# KiCad board PSU.kicad_pcb

Outline 72.31 x 44.96 mm; copper layers: FC, IC, IP, BC. Coordinates in mm from the lower left corner of the outline.
Outline path: 0,39.15 0,13.04 3.76,13.04 3.76,5.04 18.78,5.04 18.78,0 53.22,0 53.22,0.95 65.91,0.95 66.29,1.33 66.29,2.61 66.56,2.88 70.97,2.88 71.32,3.23 71.32,4.12 71.59,4.39 72.03,4.39 72.31,4.67 72.31,39.74 71.67,40.38 66.93,40.38 66.93,44.08 66.16,44.85 44.21,44.85 43.45,44.09 43.45,32.85 42.59,31.99 18.54,31.99 17.37,33.16 17.37,44.22 16.63,44.96 6.25,44.96 5.53,44.24 5.53,40.73 4.79,39.99 0.84,39.99 0,39.15
Stack: FC 0.035mm / dielectric 0.1mm FR4 er 4.5 / IC 0.035mm / dielectric 1.24mm FR4 er 4.5 / IP 0.035mm / dielectric 0.1mm FR4 er 4.5 / BC 0.035mm

## Placement (name value [footprint] x y rotation side)
C1  -  [C_0603_1608Metric]  7.06 41.14 0 top
C2  -  [C_0603_1608Metric]  4.92 34.33 90 top
C3  -  [C_1206_3216Metric]  12.81 36.24 0 top
C4  -  [C_0603_1608Metric]  4.51 24.57 90 top
C5  -  [C_0603_1608Metric]  6.44 12.3 90 top
C6  -  [C_0603_1608Metric]  4.89 30.77 90 top
C7  -  [C_0603_1608Metric]  6.74 21.31 0 top
C8  -  [C_0603_1608Metric]  4.97 27.8 90 top
C9  -  [C_0603_1608Metric]  4.48 20.36 90 top
C10  -  [C_0603_1608Metric]  11.62 21.15 0 top
C11  -  [C_1206_3216Metric]  12.58 28.95 0 top
C12  -  [C_1206_3216Metric]  30.16 23.31 270 top
C13  -  [C_0603_1608Metric]  16.87 13.33 0 top
C14  -  [C_0603_1608Metric]  23.04 25.9 270 top
C15  -  [C_0603_1608Metric]  18.12 9.69 90 top
C16  -  [C_1206_3216Metric]  27.26 20.92 270 top
C17  -  [C_0603_1608Metric]  7.22 18.44 0 top
C18  -  [C_0603_1608Metric]  37.06 15.04 0 top
C19  -  [C_0603_1608Metric]  51.19 24.88 90 top
C20  -  [C_0603_1608Metric]  45.44 17.2 180 top
C21  -  [C_0603_1608Metric]  57.44 15.28 90 top
C22  -  [C_0603_1608Metric]  39.74 24.65 0 top
C23  -  [C_0603_1608Metric]  53.73 24.26 0 top
C24  -  [C_0603_1608Metric]  37.06 19.29 0 top
C25  -  [C_0805_2012Metric]  48.17 29.76 90 top
C26  -  [C_0603_1608Metric]  46.7 24.88 90 top
C27  -  [C_0603_1608Metric]  45.52 20.85 90 top
C28  -  [C_0603_1608Metric]  46.95 9.76 270 top
C29  -  [C_0603_1608Metric]  68.97 28.13 0 top
C30  -  [C_0603_1608Metric]  68.99 19.49 0 top
C31  -  [C_0603_1608Metric]  14.06 6.99 90 top
C32  -  [C_0603_1608Metric]  26.77 6.48 270 top
C33  -  [C_0805_2012Metric]  26.91 3.96 180 top
C34  -  [C_0603_1608Metric]  29.46 3.68 270 top
C35  -  [C_0603_1608Metric]  45.16 6.64 270 top
C36  -  [C_0603_1608Metric]  37.68 3.07 270 top
C37  -  [C_0603_1608Metric]  68.14 5.87 90 top
C38  -  [C_Radial_D6.3mm_H11.0mm_P2.50mm]  34.3 12.96 0 bottom
C39  -  [C_Disc_D3.0mm_W1.6mm_P2.50mm]  39.61 18.15 90 bottom
C40  -  [EC]  39.58 11.25 90 bottom
C41  -  [C_Radial_D10.0mm_H12.5mm_P5.00mm]  33.95 22.84 225 bottom
C42  -  [C_Radial_D6.3mm_H11.0mm_P2.50mm]  10.29 23.17 0 bottom
C43  -  [C_Radial_D6.3mm_H11.0mm_P2.50mm]  21.93 11.77 90 bottom
C44  -  [C_Radial_D10.0mm_H12.5mm_P5.00mm]  18.33 21.67 0 bottom
C45  -  [C_Radial_D6.3mm_H11.0mm_P2.50mm]  27.48 13 0 bottom
C46  -  [C_Radial_D6.3mm_H11.0mm_P2.50mm]  16.12 7.65 90 bottom
D1  -  [D_0603_1608Metric]  54.7 34.09 90 top
D2  -  [D_0603_1608Metric]  21.15 29.87 180 top
D3  -  [D_0603_1608Metric]  59.97 26.42 180 top
D4  -  [D_0603_1608Metric]  38.28 7.12 270 top
J1  -  [PSU_Connector_Receptor]  30.62 6.05 180 bottom
L1  -  [L_Radial_D7.5mm_P5.00mm_Fastron_07P]  65.9 8.78 180 bottom
L2  -  [L_Coilcraft_LPS5030]  11.23 15.86 180 bottom
L3  -  [L_Coilcraft_LPS5030]  8.5 8.82 180 bottom
Q1  -  [SOT-powerT]  8.79 8.21 0 top
Q1#2  -  [SOT-23]  6.61 38.21 270 top
Q2  -  [SOT-powerT]  12.35 17.94 180 top
Q2#2  -  [SOT-416]  15.86 41.62 90 top
Q3  -  [SOT-416]  13.99 38.76 90 top
Q4  -  [SOT-23]  10.11 42.12 90 top
Q5  -  [SOT-416]  52.49 34.43 270 top
Q6  -  [SOT-416]  2.02 24.62 270 top
Q7  -  [SOT-416]  2.64 21.71 270 top
Q8  -  [SOT-23-3]  20.4 26.84 270 top
Q9  -  [SOT-23]  24.25 18.51 90 top
Q10  -  [SOT-89-3]  14.35 32.81 0 top
Q11  -  [SOT-416]  18.11 30.56 180 top
Q12  -  [SOT-416]  16.91 26.74 180 top
Q13  -  [SOT-416]  45.05 15.24 270 top
Q14  -  [SOT-23]  36.89 21.96 90 top
Q15  -  [SOT-23W]  36.37 9.68 270 top
Q16  -  [SOT-416]  48.84 10.37 270 top
Q19  -  [SOT-416]  50.48 15.79 180 top
Q21  -  [SOT-416]  63.19 21.46 90 top
Q22  -  [SOT-416]  63.1 12.87 90 top
Q23  -  [SOT-416]  63.12 15.65 90 top
Q24  -  [SOT-416]  63.1 18.77 90 top
Q25  -  [SOT-416]  31.34 3.52 90 top
Q26  -  [SOT-23]  29.44 6.93 0 top
Q28  -  [SOT-416]  43.07 3.7 270 top
Q30  -  [SOT-23]  33.67 6.7 0 top
Q32  -  [SOT-416]  62.99 6.8 180 top
Q33  -  [SOT-416]  60.53 2.86 0 top
R1  -  [R_0603_1608Metric]  6.41 34.24 270 top
R2  -  [R_0603_1608Metric]  12.18 41.73 270 top
R3  -  [R_0603_1608Metric]  11.87 38.78 270 top
R4  -  [R_0603_1608Metric]  7.87 34.3 270 top
R5  -  [R_0603_1608Metric]  13.82 41.67 270 top
R6  -  [R_0603_1608Metric]  7.13 42.97 0 top
R7  -  [R_1210_3225Metric]  57.66 40.81 0 top
R8  -  [R_1210_3225Metric]  57.66 37.61 0 top
R9  -  [R_0603_1608Metric]  4.48 17.05 270 top
R10  -  [R_0603_1608Metric]  2.44 19.01 270 top
R11  -  [R_0603_1608Metric]  6.72 24.1 0 top
R12  -  [R_0603_1608Metric]  4.91 12.25 90 top
R13  -  [R_0603_1608Metric]  3.51 30.88 270 top
R14  -  [R_0603_1608Metric]  6.44 30.78 270 top
R15  -  [R_0603_1608Metric]  6.43 27.82 270 top
R16  -  [R_0603_1608Metric]  3.49 27.88 270 top
R17  -  [R_0603_1608Metric]  1.55 30.88 270 top
R18  -  [R_0603_1608Metric]  6.63 19.83 180 top
R19  -  [R_0603_1608Metric]  6.7 22.71 0 top
R20  -  [R_0603_1608Metric]  1.99 27.92 270 top
R21  -  [R_1206_3216Metric]  21.38 17.86 90 top
R22  -  [R_0603_1608Metric]  8.27 12.31 90 top
R23  -  [R_0603_1608Metric]  7.15 17.05 180 top
R24  -  [R_1206_3216Metric]  29.3 26.91 0 top
R25  -  [R_1206_3216Metric]  12.92 12.56 90 top
R26  -  [R_1206_3216Metric]  16.88 17.83 90 top
R27  -  [R_0603_1608Metric]  17.08 28.64 0 top
R28  -  [R_0603_1608Metric]  19.8 9.75 90 top
R29  -  [R_0603_1608Metric]  25.42 29.73 90 top
R30  -  [R_0603_1608Metric]  7.9 26.35 270 top
R31  -  [R_0603_1608Metric]  23.92 29.73 90 top
R32  -  [R_0603_1608Metric]  17.08 24.86 0 top
R33  -  [R_1206_3216Metric]  19.14 17.86 90 top
R34  -  [R_1206_3216Metric]  32.19 15.98 90 top
R35  -  [R_0603_1608Metric]  27.7 30.33 0 top
R36  -  [R_0603_1608Metric]  25.74 8.56 180 top
R37  -  [R_0603_1608Metric]  7.15 15.57 180 top
R38  -  [R_0603_1608Metric]  7.84 30.85 270 top
R39  -  [R_0603_1608Metric]  55.91 12.34 90 top
R40  -  [R_0603_1608Metric]  51.46 10.85 0 top
R41  -  [R_0603_1608Metric]  47.74 18.95 0 top
R42  -  [R_0603_1608Metric]  37.1 16.41 0 top
R43  -  [R_0603_1608Metric]  53.36 14.62 0 top
R44  -  [R_0603_1608Metric]  32.71 25.62 90 top
R45  -  [R_0603_1608Metric]  53.51 12.34 90 top
R46  -  [R_0603_1608Metric]  55.03 21.4 90 top
R47  -  [R_0603_1608Metric]  53.78 25.73 0 top
R48  -  [R_0603_1608Metric]  40.49 7.92 90 top
R49  -  [R_0603_1608Metric]  47.53 12.44 0 top
R50  -  [R_0603_1608Metric]  55.56 18.53 90 top
R51  -  [R_0603_1608Metric]  53 18.58 90 top
R52  -  [R_0603_1608Metric]  57.38 12.32 90 top
R53  -  [R_0603_1608Metric]  44.02 20.84 90 top
R54  -  [R_0603_1608Metric]  37.07 17.83 0 top
R55  -  [R_0603_1608Metric]  55.81 15.3 90 top
R56  -  [R_1206_3216Metric]  34.45 16.87 90 top
R57  -  [R_0603_1608Metric]  50.38 13.96 0 top
R58  -  [R_0603_1608Metric]  49.72 7.96 0 top
R59  -  [R_0603_1608Metric]  49.91 29.81 90 top
R60  -  [R_0603_1608Metric]  51.4 9.4 0 top
R61  -  [R_0603_1608Metric]  53.03 21.37 90 top
R62  -  [R_0603_1608Metric]  33.4 9.39 0 top
R63  -  [R_0603_1608Metric]  56.54 21.43 90 top
R64  -  [R_0603_1608Metric]  41.78 11.29 90 top
R65  -  [R_0603_1608Metric]  50.42 12.53 0 top
R66  -  [R_0603_1608Metric]  47.57 13.88 0 top
R67  -  [R_0603_1608Metric]  57.02 18.53 90 top
R68  -  [R_0603_1608Metric]  47.77 15.64 0 top
R69  -  [R_0603_1608Metric]  48.96 21.66 0 top
R70  -  [R_0603_1608Metric]  60.38 11.91 0 top
R71  -  [R_0603_1608Metric]  60.43 15.37 0 top
R72  -  [R_0603_1608Metric]  59.8 28.09 0 top
R73  -  [R_0603_1608Metric]  60.15 22.36 0 top
R74  -  [R_0603_1608Metric]  60.36 13.45 0 top
R75  -  [R_0603_1608Metric]  60.46 16.8 0 top
R76  -  [R_0603_1608Metric]  60.4 18.56 0 top
R77  -  [R_0603_1608Metric]  60.12 24.39 0 top
R78  -  [R_0603_1608Metric]  60.1 20.38 0 top
R79  -  [R_0603_1608Metric]  12.4 7.07 90 top
R80  -  [R_0603_1608Metric]  26.99 2.19 180 top
R81  -  [R_0603_1608Metric]  19.43 6.85 90 top
R82  -  [R_0603_1608Metric]  43.64 6.65 90 top
R83  -  [R_0603_1608Metric]  36.18 3.03 270 top
R84  -  [R_0603_1608Metric]  46.69 6.62 90 top
R85  -  [R_0603_1608Metric]  39.84 4.65 270 top
R86  -  [R_0603_1608Metric]  33.97 3.87 180 top
R87  -  [R_0603_1608Metric]  66.61 5.84 90 top
R88  -  [R_0603_1608Metric]  59.8 5.48 90 top
R89  -  [R_0603_1608Metric]  65.12 5.84 90 top
R90  -  [R_0603_1608Metric]  62.03 4.74 0 top
R91  -  [R_1206_3216Metric]  70.03 6.97 90 top
REF**  -  [3D]  56.98 3.05 270 top
REF**#2  -  [3D]  50.7 18.47 0 top
REF**#3  -  [3D]  56.94 5.89 270 top
REF**#4  -  [3D]  48.81 24.69 0 top
REF**#5  -  [3D]  53.22 7.07 180 top
REF**#6  -  [3D]  42.41 14.72 180 top
U1  -  [SOT-23-5]  44.41 10.63 270 top
U2  -  [SOT-23-6_Handsoldering]  49.85 5.41 0 top

## Footprints (pads in the part's own frame, mm; a bottom-side part is the same pattern mirrored in y, then rotated)
3D
  rect 0.9x0.8 smd: 1(0.625,-0.725) 2(-0.05,1.125) 3(-0.7,-0.725)
C_0603_1608Metric
  rrect 0.9x0.95 smd: 1(-0.775,0) 2(0.775,0)
C_0805_2012Metric
  rrect 1x1.45 smd: 1(-0.95,0) 2(0.95,0)
C_1206_3216Metric
  rrect 1.15x1.8 smd: 1(-1.475,0) 2(1.475,0)
C_Disc_D3.0mm_W1.6mm_P2.50mm
  round 1.6 hole 0.8: 1(0,0) 2(2.5,0)
C_Radial_D6.3mm_H11.0mm_P2.50mm
  round 1.6 hole 0.8: 1(0,0) 2(2.5,0)
C_Radial_D10.0mm_H12.5mm_P5.00mm
  round 1.6 hole 0.8: 1(0,0) 2(5,0)
D_0603_1608Metric
  rrect 0.875x0.95 smd: 1(-0.787,0) 2(0.787,0)
EC
  round 1.6 hole 0.8: 1(0.275,0) 2(2.225,0)
L_Coilcraft_LPS5030
  custom 1.995x5.51 smd: 1(-2.228,0) 2(2.228,0)
L_Radial_D7.5mm_P5.00mm_Fastron_07P
  round 2.6 hole 1.3: 1(0,0) 2(5,0)
PSU_Connector_Receptor
  rect 0.5x2.1 smd: 1(-7.8,2.2) 2(-7,2.2) 3(-6.2,2.2) 4(-5.4,2.2) 5(-4.6,2.2) 6(-3.8,2.2) 7(-3,2.2) 8(-2.2,2.2) 9(-1.4,2.2) 10(-0.55,2.2) 11(0.2,2.2) 12(1,2.2) 13(1.85,2.2) 14(2.6,2.2) 15(3.45,2.2) 16(4.25,2.2) 17(5.05,2.2) 18(5.85,2.2) 19(6.65,2.2) 20(7.45,2.2) 21(-7.85,-2.2) 22(-7,-2.2) 23(-6.2,-2.2) 24(-5.4,-2.2) 25(-4.6,-2.2) 26(-3.8,-2.2) 27(-3,-2.2) 28(-2.2,-2.2) 29(-1.4,-2.2) 30(-0.6,-2.2) 31(0.2,-2.2) 32(1,-2.2) 33(1.8,-2.2) 34(2.6,-2.2) 35(3.4,-2.2) 36(4.2,-2.2) 37(5,-2.2) 38(5.8,-2.2) 39(6.6,-2.2) 40(7.4,-2.2)
R_0603_1608Metric
  rrect 0.8x0.95 smd: 1(-0.825,0) 2(0.825,0)
R_1206_3216Metric
  rrect 1.125x1.75 smd: 1(-1.462,0) 2(1.462,0)
R_1210_3225Metric
  rrect 1.125x2.65 smd: 1(-1.462,0) 2(1.462,0)
SOT-23
  rrect 1.475x0.6 smd: 1(-0.938,0.95) 2(-0.938,-0.95) 3(0.938,0)
SOT-23-3
  rrect 1.325x0.6 smd: 1(-1.137,0.95) 2(-1.137,-0.95) 3(1.137,0)
SOT-23-5
  rrect 1.325x0.6 smd: 1(-1.137,0.95) 2(-1.137,0) 3(-1.137,-0.95) 4(1.137,-0.95) 5(1.137,0.95)
SOT-23-6_Handsoldering
  rrect 1.56x0.65 smd: 1(-1.35,0.95) 2(-1.35,0) 3(-1.35,-0.95) 4(1.35,-0.95) 5(1.35,0) 6(1.35,0.95)
SOT-23W
  rrect 1x0.7 smd: 1(-1.2,0.95) 2(-1.2,-0.95) 3(1.2,0)
SOT-89-3
  rrect 1.3x0.9 smd: 1(-1.95,1.5) 3(-1.95,-1.5)
  custom 4.6x1.733 smd: 2(-1.863,0)
SOT-416
  rrect 0.6x0.5 smd: 1(-0.65,0.5) 2(-0.65,-0.5) 3(0.65,0)
SOT-powerT
  rect 1.8x0.8 smd: 1(-1.525,1.675) 2(-1.525,0) 3(-1.525,-1.8)
  rect 1.7x1.5 smd: 4(0.925,-1.175) 5(0.925,1.175)

## Nets
GND: J1.9 J1.29 J1.32 J1.37 Q9.1 Q9.2

Pads without a net: C1 1 2; C2 1 2; C3 1 2; C4 1 2; C5 1 2; C6 1 2; C7 1 2; C8 1 2; C9 1 2; C10 1 2; C11 1 2; C12 1 2; C13 1 2; C14 1 2; C15 1 2; C16 1 2; C17 1 2; C18 1 2; C19 1 2; C20 1 2; C21 1 2; C22 1 2; C23 1 2; C24 1 2; C25 1 2; C26 1 2; C27 1 2; C28 1 2; C29 1 2; C30 1 2; C31 1 2; C32 1 2; C33 1 2; C34 1 2; C35 1 2; C36 1 2; C37 1 2; C38 1 2; C39 1 2; C40 1 2; C41 1 2; C42 1 2; C43 1 2; C44 1 2; C45 1 2; C46 1 2; D1 1 2; D2 1 2; D3 1 2; D4 1 2; J1 1 2 3 4 5 6 7 8 10 11 12 13 14 15 16 17 18 19 20 21 22 23 24 25 26 27 28 30 31 33 34 35 36 38 39 40; L1 1 2; L2 1 2; L3 1 2; Q1 1 2 3 4 5; Q1#2 1 2 3; Q2 1 2 3 4 5; Q2#2 1 2 3; Q3 1 2 3; Q4 1 2 3; Q5 1 2 3; Q6 1 2 3; Q7 1 2 3; Q8 1 2 3; Q9 3; Q10 1 2 3; Q11 1 2 3; Q12 1 2 3; Q13 1 2 3; Q14 1 2 3; Q15 1 2 3; Q16 1 2 3; Q19 1 2 3; Q21 1 2 3; Q22 1 2 3; Q23 1 2 3; Q24 1 2 3; Q25 1 2 3; Q26 1 2 3; Q28 1 2 3; Q30 1 2 3; Q32 1 2 3; Q33 1 2 3; R1 1 2; R2 1 2; R3 1 2; R4 1 2; R5 1 2; R6 1 2; R7 1 2; R8 1 2; R9 1 2; R10 1 2; R11 1 2; R12 1 2; R13 1 2; R14 1 2; R15 1 2; R16 1 2; R17 1 2; R18 1 2; R19 1 2; R20 1 2; R21 1 2; R22 1 2; R23 1 2; R24 1 2; R25 1 2; R26 1 2; R27 1 2; R28 1 2; R29 1 2; R30 1 2; R31 1 2; R32 1 2; R33 1 2; R34 1 2; R35 1 2; R36 1 2; R37 1 2; R38 1 2; R39 1 2; R40 1 2; R41 1 2; R42 1 2; R43 1 2; R44 1 2; R45 1 2; R46 1 2; R47 1 2; R48 1 2; R49 1 2; R50 1 2; R51 1 2; R52 1 2; R53 1 2; R54 1 2; R55 1 2; R56 1 2; R57 1 2; R58 1 2; R59 1 2; R60 1 2; R61 1 2; R62 1 2; R63 1 2; R64 1 2; R65 1 2; R66 1 2; R67 1 2; R68 1 2; R69 1 2; R70 1 2; R71 1 2; R72 1 2; R73 1 2; R74 1 2; R75 1 2; R76 1 2; R77 1 2; R78 1 2; R79 1 2; R80 1 2; R81 1 2; R82 1 2; R83 1 2; R84 1 2; R85 1 2; R86 1 2; R87 1 2; R88 1 2; R89 1 2; R90 1 2; R91 1 2; REF** 1 2 3; REF**#2 1 2 3; REF**#3 1 2 3; REF**#4 1 2 3; REF**#5 1 2 3; REF**#6 1 2 3; U1 1 2 3 4 5; U2 1 2 3 4 5 6

## Via types
v1: diameter 0.6, hole 0.3, FC to BC, 197 vias

## Routing (per net, layer and track width the routed paths; a pad name or vN(x,y) marks a point on that pad's centre or on a via; arc(x,y) is an arc through that point)
GND: length 134.3
  FC w0.7: 24.79,17.57 24.79,16.51 v1(24.91,16.39) ; 24.79,17.57 23.86,17.57 ; 24.79,17.57 Q9.2 ; 23.86,17.57 Q9.1 ; 23.86,17.57 v1(23.86,16.36)
  IC w0.2: v1(8.05,36.28) 8.05,35.82 7.17,34.94 7.17,27.67 7.91,26.93 7.91,25.07 7.39,24.55 7.39,16.71 13.26,10.84 13.26,8.91 13.73,8.44 16.77,8.44 19.82,5.39 19.82,3.87 22.78,0.91 26.69,0.91 28.44,2.66 30.32,2.66 30.9,2.08 30.9,1.9 v1(30.91,1.89) ; v1(31.17,5.44) 36.62,10.89 38.44,10.89 38.98,10.35 v1(40.74,10.35)
  IC w0.4: v1(5.71,30.73) 5.71,28.17 7.34,26.54 7.34,25.38 6.77,24.81 6.77,16.44 12.47,10.74 12.47,8.53 13.53,7.47 15.41,7.47 ; v1(14.18,9.29) 14.18,10.81 8.02,16.97 8.02,21.57 v1(8.58,22.13) 8.05,22.66 8.05,24.28 8.68,24.91 8.68,27.15 7.91,27.92 v1(7.91,30.5)
  BC w0.2: J1.32 29.6,3.87 v1(29.6,5.4) ; J1.9 32.02,10.26 v1(32.03,10.27) ; v1(32.02,1.92) J1.29 ; J1.37 25.61,3.86 v1(25.61,5.21) ; v1(30.91,1.89) 31.22,2.2 31.22,3.85 31.17,3.9 v1(31.17,5.44)
  vias: v1(2.41,29.91) v1(3.62,19.35) v1(4.61,38.31) v1(5.79,38.34) v1(7.06,43.98) v1(10.22,37.69) v1(12.22,27.98) v1(12.25,29.2) v1(14.66,18.67) v1(15.3,43.43) v1(15.39,37.91) v1(16.96,27.7) v1(17.7,14.27) v1(25.09,22.08) v1(29.8,1.95) v1(35.76,5.28) v1(37.97,30.59) v1(43,27.36) v1(45.21,35.08) v1(45.19,33.66) v1(46.74,11.43) v1(47.33,29.4) v1(48.43,22.63) v1(49.52,37.98) v1(49.43,4.38) v1(50.79,37.98) v1(51.07,30.38) v1(51.84,20.72) v1(51.83,19.41) v1(52.01,37.96) v1(52.14,11.98) v1(55.29,10.62) v1(56.28,27.23) v1(56.28,25.84) v1(59.97,20.61) v1(62.46,11.17) v1(63.97,19.94)
(no net): length 1146.2
  FC w0.2: 36.83,22.84 Q14.3 ; 34.3,15.26 R56.1 ; C40.1 39.28,11.53 ; 37.88,12.92 37.88,12.95 ; 36.81,12.95 C38.2 ; 28.06,16.59 v1(28.09,16.62)
  FC w0.7: R44.1 32.71,24.39 C12.2 32.1,21.84 32.92,21.02 Q14.1 Q14.2 ; C41.1 36.83,22.84
  FC w0.8: 39.28,11.53 37.88,12.92 ; 37.88,12.95 36.81,12.95 ; v1(26.9,16.59) 28.06,16.59
  FC w1: R34.1 33.78,14.52 33.8,14.5 34.3,14.5 ; 34.3,14.5 C38.1 ; 34.3,14.5 34.3,15.26
  IC w0.2: v1(19.01,9.66) 16.45,12.22 15.05,12.22 13.07,14.2 13.07,20.34 12.02,21.39 12.02,24.44 10.11,26.35 10.11,35.28 v1(9.14,36.25) ; 7.19,13.01 6.78,13.42 ; 7.19,13.01 v1(7.19,12.95) ; 7.19,13.01 6.2,14 6.2,20.18 v1(4.22,22.16) ; v1(21.83,4.29) 22.03,4.49 22.03,6.58 21.33,7.28 20.36,7.28 16.02,11.62 14.92,11.62 12.56,13.98 12.56,19.95 11.49,21.02 11.49,23.27 10.63,24.13 v1(9.21,24.13) ; v1(22.44,7.96) 22.73,7.96 23.38,8.61 23.38,12.04 22.55,12.87 21.69,12.87 16.84,17.72 16.84,22.67 v1(17.26,23.09) ; v1(47.91,37.09) 47.91,36.42 51.29,33.04 54.51,33.04 57.83,29.72 v1(59.15,29.72) ; v1(36.85,24.7) 37.29,25.14 38.42,25.14 39.22,24.34 46.01,24.34 47.35,25.68 v1(47.35,27.67) ; v1(21.9,23.16) 22.75,24.01 25.06,24.01 28.29,27.24 41.73,27.24 44.71,30.22 49.26,30.22 51.91,27.57 53.38,27.57 v1(53.77,27.96) ; v1(57.11,10.16) 57.11,8.46 55.99,7.34 50.06,7.34 46.4,3.68 35.13,3.68 v1(33.61,5.2) ; v1(54.94,27.98) 54.02,27.06 51.71,27.06 50.28,28.49 46.01,28.49 43.92,26.4 41.99,26.4 41.77,26.62 28.59,26.62 v1(25.08,23.11) ; v1(3.92,26.23) 3.92,23.5 3.39,22.97 3.39,21.57 4.5,20.46 v1(4.5,18.62) ; v1(46.19,27.71) 46.19,25.53 45.68,25.02 39.5,25.02 38.79,25.73 36.42,25.73 v1(35.9,25.21) ; v1(15.25,39.36) 14.77,38.88 14.77,32.72 19.11,28.38 41.46,28.38 45.62,32.54 50.07,32.54 52.97,29.64 v1(53.6,29.64) 56.21,29.64 60.08,25.77 60.08,23.79 62.19,21.68 v1(62.19,19.74) ; v1(37.64,9.61) 37.7,9.61 39.04,8.27 48.73,8.27 49.25,8.79 51.03,8.79 53.85,11.61 54.58,11.61 57.71,14.74 57.71,18.76 v1(58.2,19.25) 58.2,23.03 57.03,24.2 52.63,24.2 51.73,23.3 v1(51.73,22.11) ; v1(2.9,24.02) 3.15,24.27 3.15,28.41 3.91,29.17 3.91,33.03 v1(6.97,36.09) ; v1(39.37,7.57) 39.38,7.58 48.71,7.58 49.46,8.33 52.96,8.33 v1(53.28,8.65) ; v1(16.24,23.14) 16.3,23.08 16.3,17.51 20.93,12.88 20.93,11.31 22.44,9.8 v1(22.44,9.02) ; v1(3.42,20.34) 2.88,20.88 2.88,22.59 2.1,23.37 2.1,24.46 2.65,25.01 2.65,28.62 3.28,29.25 3.28,34.35 v1(3.84,34.91) ; v1(47.93,38.93) 47.1,38.1 47.1,36.42 51.02,32.5 54.23,32.5 60.79,25.94 60.79,24.06 63.21,21.64 63.21,19.25 61.64,17.68 61.64,11.25 56.72,6.33 50.57,6.33 45.19,0.95 29.32,0.95 28.75,1.52 v1(28.75,1.91) ; v1(38.69,5.22) 39.68,4.23 46.1,4.23 49.67,7.8 53.83,7.8 54.64,8.61 54.64,10.86 57.56,13.78 v1(58.47,13.78) 59.83,15.14 59.83,18.09 59.18,18.74 59.18,22.95 57.31,24.82 52.35,24.82 50.69,23.16 v1(50.69,22.11) ; v1(50.81,26.92) 49.38,25.49 49.38,21.88 44.22,16.72 30.36,16.72 29.04,18.04 22.92,18.04 21.84,16.96 20.77,16.96 v1(20.52,17.21) ; v1(54.96,26.89) 53.91,25.84 50.7,25.84 49.91,25.05 49.91,21.62 44.42,16.13 30.21,16.13 28.87,17.47 23.03,17.47 21.98,16.42 20.23,16.42 19.81,16.84 19.81,17.93 v1(19.95,18.07) ; v1(13.24,6.26) 13.15,6.17 6.52,6.17 4.83,7.86 4.83,17 1.9,19.93 v1(1.9,21.59) ; v1(18.35,7.87) 17.21,9.01 15.77,9.01 15.15,9.63 15.15,10.64 12,13.79 12,19.59 11.21,20.38 v1(9.04,20.38) ; v1(59.4,10.48) 58.48,10.48 58.01,10.01 58.01,8.44 56.42,6.85 50.25,6.85 46.47,3.07 35.19,3.07 v1(34.41,2.29) ; v1(54.35,28.88) 56.13,28.88 57.33,27.68 57.33,25.59 60.89,22.03 60.89,14.97 56.13,10.21 v1(56.13,9.78) ; v1(12.1,26.69) 15.42,23.37 15.42,15.37 20.63,10.16 21.28,10.16 21.73,9.71 21.73,7.61 23.23,6.11 27.51,6.11 29.26,4.36 31.14,4.36 37.13,10.35 38.19,10.35 38.72,9.82 39.94,9.82 40.25,9.51 41.38,9.51 41.59,9.72 v1(41.69,9.72) ; v1(41.97,1.89) 41.25,2.61 40.43,2.61 39.27,1.45 33.61,1.45 31.85,3.21 24.46,3.21 v1(22.97,1.72) ; v1(51.94,28.71) 51.55,28.71 49.57,30.69 44.43,30.69 41.42,27.68 24.63,27.68 v1(20.11,23.16) ; v1(39.3,9.09) 39.88,9.09 40.14,8.83 48.53,8.83 49.08,9.38 50.92,9.38 53.72,12.18 54.44,12.18 55.76,13.5 55.76,20.42 52.95,23.23 v1(52.95,23.28) ; v1(37.99,24.31) 38.48,23.82 46.37,23.82 48.74,26.19 v1(48.74,27.69)
  IC w0.4: v1(54.11,42.79) 53.46,42.14 ; 53.46,42.14 50.69,42.14 ; 53.46,42.14 49.76,42.14 44.37,36.75 44.37,32.15 41.22,29 19.69,29 16.01,32.68 v1(16.01,36.64) ; v1(39.27,30.61) 38.35,29.69 30.86,29.69 v1(29.67,30.88) ; v1(52.75,16.57) 52.73,16.57 49.84,13.68 43.49,13.68 41.85,15.32 20.29,15.32 18.62,16.99 18.62,19.67 19.81,20.86 19.81,22.28 14.14,27.95 14.14,41.51 v1(14.9,42.27) ; v1(20.88,9.12) 20.88,9.14 13.7,16.32 13.7,19.6 14.16,20.06 14.16,23.25 10.78,26.63 10.78,34.31 v1(13.11,36.64)
  IC w0.5: v1(9.39,39.96) 9.39,39.95 6.66,37.22 4.69,37.22 2.43,34.96 v1(2.32,34.96) v1(1.33,34.96) 1.04,34.67 1.04,17.57 1.86,16.75 v1(1.86,16.74) v1(2.83,16.74) ; v1(30.88,9.79) 30.88,11.78 33.75,14.65 40.99,14.65 45.92,9.72 v1(47.74,9.72)
  BC w0.2: v1(33.61,5.2) 33.61,3.86 J1.27 ; J1.16 26.44,8.32 v1(26.44,9.63) ; J1.15 27.17,6.75 26.78,6.36 22.52,6.36 v1(20.87,8.01) ; J1.36 26.42,2.61 25.89,2.08 v1(25.52,2.08) ; v1(23.99,7.02) 23.99,8.23 J1.19 ; v1(34.41,2.29) 34.41,3.84 J1.26 ; J1.33 28.75,3.78 v1(28.75,1.91) ; v1(37.64,9.61) 37.64,8.27 J1.2 ; J1.1 38.42,8.88 38.63,9.09 v1(39.3,9.09) ; v1(37.62,5.2) J1.22 ; J1.38 24.82,2.46 v1(24.1,1.74) ; v1(28.02,9.62) J1.14 ; v1(22.44,9.02) 23.17,9.02 J1.20 ; J1.34 28.02,2.45 26.49,0.92 22.82,0.92 21.83,1.91 v1(21.83,4.29) ; J1.35 27.22,5.45 26.79,5.88 22.15,5.88 21.31,5.04 20,5.04 18.35,6.69 v1(18.35,7.87) ; v1(22.97,1.72) 24.02,2.77 J1.39 ; v1(25.61,7.04) 25.61,8.21 J1.17 ; v1(38.69,5.22) 38.47,5 J1.21
  vias: v1(1.84,26.2) v1(2.32,15.7) v1(2.33,14.84) v1(4.89,26.23) v1(5.02,32.38) v1(5.17,36.1) v1(5.48,18.62) v1(6.38,32.31) v1(6.43,26.01) v1(9.08,17.62) v1(9.2,30.13) v1(9.73,10.99) v1(10.17,17.62) v1(10.81,11.01) v1(19.14,12.76) v1(19.99,12.74) v1(23.2,5.23) v1(36.99,6.39) v1(40.86,25.74) v1(40.88,1.89) v1(44.78,25.67) v1(45.37,29.33) v1(45.79,14.88) v1(46.27,29.29) v1(46.52,21.69) v1(47.31,17.82) v1(47.41,31.5) v1(47.55,21.68) v1(48.11,26.81) v1(48.41,17.83) v1(48.56,1.23) v1(49.39,31.53) v1(49.69,1.23) v1(49.87,27.71) v1(50.86,1.21) v1(52.07,1.18) v1(52.95,28.67) v1(53.28,9.61) v1(53.62,31.5) v1(53.53,4.7) v1(53.8,3.59) v1(53.84,10.57) v1(54.02,23.27) v1(54.15,19.26) v1(54.2,13.16) v1(54.62,17.74) v1(54.65,15.58) v1(55.17,23.15) v1(56.43,23.13) v1(56.56,16.17) v1(58.72,17.74) v1(58.66,9.61) v1(61.64,28.02) v1(64.54,12.78) v1(64.95,34.68) v1(66.22,34.63) v1(66.15,18.43) v1(67.37,34.66)

## Copper pours and planes (outline as drawn; the poured copper is in the pictures)
GND on IP: 42.83,31.29 43.95,32.41 43.97,43.77 44.47,44.26 53.08,44.28 53.21,44.13 53.24,31.13 56.7,31.13 64.59,23.38 67.77,23.39 68.62,23.04 69.1,22.49 69.27,21.93 69.29,19.81 69.64,19.44 71.37,19.44 71.6,19.24 71.68,5.31 71.58,5.2 71.15,5.2 70.76,4.81 70.77,3.82 70.64,3.69 66.36,3.69 66,3.53 65.81,3.34 65.71,3.04 65.71,1.99 65.6,1.78 65.41,1.69 53.28,1.7 52.81,1.4 48.13,1.38 48.13,0.66 19.62,0.71 19.59,5.12 19.12,5.6 4.59,5.6 4.58,12.92 3.98,13.63 0.59,13.63 0.58,38.75 1,39.21 4.86,39.21 6.04,40.35 6.03,43.94 6.35,44.27 16.06,44.27 16.57,43.78 16.58,32.61 18.06,31.17
(no net) on IC: 20.4,18.94 21.39,17.81 21.8,17.81 22.52,18.54 29.25,18.54 30.65,17.19 43.78,17.19 45.88,19.26 45.88,22.19 48.63,22.18 48.86,22.43 48.86,24.9 48.49,25.17 46.59,23.26 38.54,23.26 35.73,24.43 29.93,24.44 27.84,22.38 20.56,22.38 20.4,22.21
(no net) on IC: 33.58,14.82 31.5,14.82 31.22,14.61 31.23,12.93 29.16,12.93 29.16,14.4 28.84,14.7 21.65,14.7 21.39,14.39 21.39,13.97 21.9,13.39 22.96,13.39 23.87,12.56 23.85,10.69 24.25,10.24 28.69,10.25 28.92,10 28.92,9.15 29.15,8.92 31.15,8.9 31.37,9.1 31.37,10.39 33.01,12 33.01,13.27 34.13,14.4
(no net) on IC: 7.72,30.24 7.72,34.82 8.25,35.43 9.24,35.43 9.6,35.11 9.6,31.96 8.52,30.75 8.52,29.69 9.62,28.62 9.62,25.58 8.85,24.81 8.46,24.4 8.47,23.85 9.48,22.8 9.48,21.85 8.22,20.66 7.82,20.66 7.83,24.33 8.48,24.97 8.48,27.07 7.71,27.85
(no net) on IC: 68.17,25.61 68.17,30.28 68.08,33.27 68.08,35.28 67.67,35.68 64.52,35.68 64.25,35.42 64.27,25.62 64.56,25.32 67.86,25.33
(no net) on IC: 5.56,28.06 4.31,29.36 4.31,31.37 4.52,31.62 6.47,31.62 6.74,31.38 6.78,27.3
(no net) on IC: 13.42,8.04 12.81,8.68 12.81,10.66 12.11,10.66 12.11,7.31 12.53,6.9 14.01,6.9 15.08,5.82 17.84,5.82 18.11,6.01 18.12,6.44 16.47,8.05
(no net) on IC: 56.96,5.81 50.83,5.81 50.27,5.34 50.27,4.02 49.9,3.64 48.65,3.64 48.42,3.4 48.42,0.88 48.67,0.65 52.4,0.66 52.65,0.93 52.65,1.83 65.31,1.84 65.89,2.35 65.89,3.57 70.43,3.54 70.74,3.9 70.74,5.25 71.37,5.25 71.63,5.5 71.63,14.31 69.81,14.29 69.81,17.12 71.7,17.12 71.7,21.94 71.41,22.28 68.55,22.28 66.4,20.17 65.43,20.17 63.4,18.12 63.4,9.3 61.5,7.48 58.87,7.5
